# Altium PCB FMC_ADC_128CH_10B.PcbDoc (part 9 of 14) (continued)
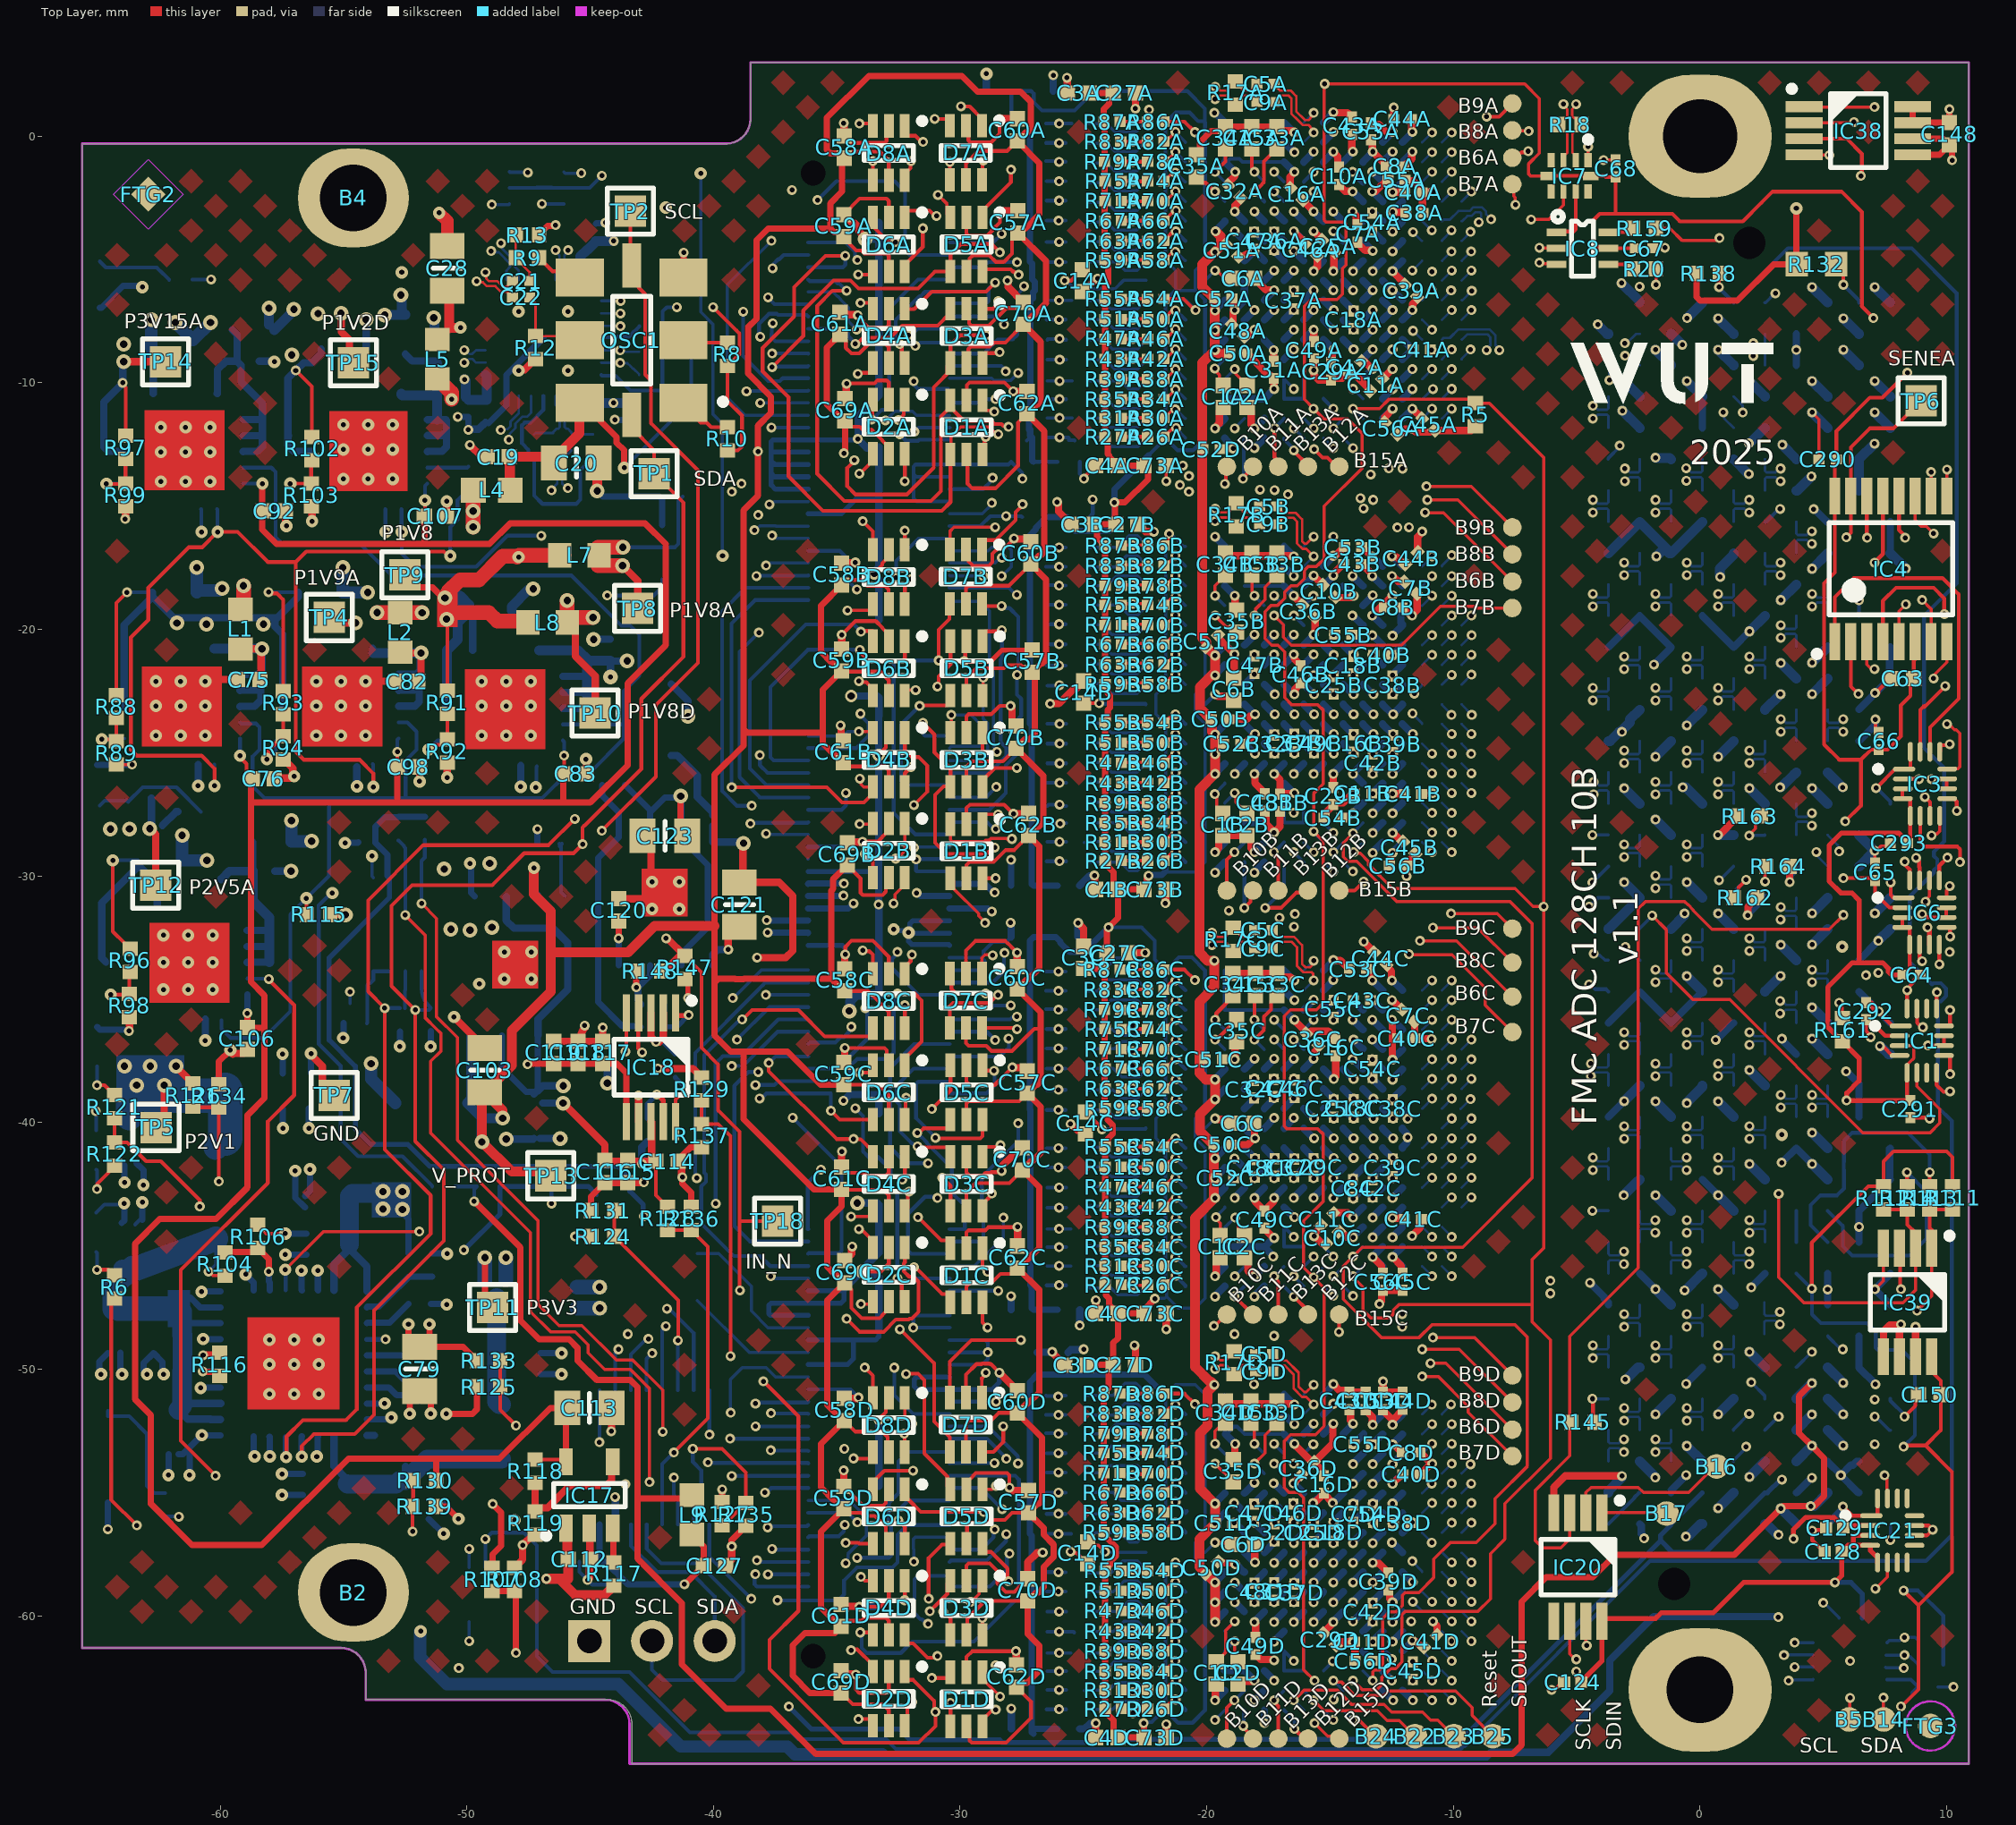
[diagram p0: Top Layer view]
## Nets (pads, with @x,y where several pads share a name; then routed paths per layer and width w, separated by ;. In a path a pad name is that pad's centre, name@x,y a point inside that pad or via, vN(x,y) a via of type N, cw(c..) or ccw(c..) an arc to the next point about the centre after c; other vN are vias at no path point) (continued)
  Bottom Layer w0.152: R22B.1@-26.489,-29.399 -26.117,-29.399 -25.701,-29.399
INP33: D1B.6 J1.49 R26B.2 R27B.1 | length 24.5
  Top Layer w0.152: D1B.6@-29.09,-30.092 -29.087,-30.089 v1(-28.558,-30.089) ; R27B.1@-23.461,-29.373 -23.46,-29.371 -23,-29.371 v1(-22.998,-29.37) ; v1@-22.934,-29.375 -22.93,-29.371 -22.401,-29.371 R26B.2@-22.399,-29.373
  Int1 (Sign) w0.127: v1(-28.558,-30.089) -28.241,-29.772 -25.335,-29.772 -24.932,-29.37 v1(-22.998,-29.37)
  Int4 (Sign) w0.127: v1(-32.594,-17.903) -31.339,-19.159 -31.339,-22.421 -31.142,-22.618 -31.142,-23.585 -30.529,-24.197 -30.529,-28.117 v1(-28.558,-30.089)
  Bottom Layer w0.152: v1(-32.594,-17.903) -32.594,-17.224 -31.68,-16.31 J1.49@-30.428,-16.31
INP34: D2B.1 J1.50 R28B.1 R29B.1 | length 26.4
  Top Layer w0.127: v1(-32.613,-29.291) -32.548,-29.291 -32.24,-28.983 D2B.1@-32.24,-27.867
  Int3 (Sign) w0.127: v1(-32.613,-29.291) -32.581,-29.291 -32.157,-29.716 -27.601,-29.716 -26.497,-28.611 v1(-25.963,-28.611)
  Int4 (Sign) w0.127: v1(-37.625,-16.194) -35.373,-18.446 -35.373,-25.321 -33.339,-27.356 -33.339,-28.566 v1(-32.613,-29.291)
  Bottom Layer w0.127: v1(-37.625,-16.194) -37.551,-16.194 -37.436,-16.31 J1.50@-36.158,-16.31
  Bottom Layer w0.152: R28B.1@-26.464,-28.611 -25.701,-28.611
INP35: D1B.1 J1.51 R30B.2 R31B.1 | length 23
  Top Layer w0.127: D1B.1@-29.09,-27.892 -29.09,-27.638 -28.954,-27.501 v1(-28.459,-27.501)
  Top Layer w0.152: R31B.1@-23.461,-28.611 -23.456,-28.617 -23.008,-28.617 v1(-23.002,-28.623) ; v1@-22.932,-28.611 -22.926,-28.617 -22.405,-28.617 R30B.2@-22.399,-28.611
  Int1 (Sign) w0.127: v1(-28.459,-27.501) -28.18,-27.78 -28.18,-28.247 -28.273,-28.34 -28.273,-28.648 -27.988,-28.933 -26.924,-28.933 -26.872,-28.985 -25.808,-28.985 -25.772,-28.949 -24.779,-28.949 -24.453,-28.623 v1(-23.002,-28.623)
  Int4 (Sign) w0.127: v1(-28.459,-27.501) -28.038,-27.081 -28.038,-25.805 -28.137,-25.706 -28.137,-24.808 -28.343,-24.602 -28.343,-20.67 -27.902,-20.23 -27.902,-18.918 -28.264,-18.557 -28.264,-17.886 v1(-28.316,-17.834)
  Bottom Layer w0.127: J1.51@-30.428,-16.81 -28.86,-16.81 -28.723,-16.673 -28.023,-16.673 -27.93,-16.766 -27.93,-17.461 -28.303,-17.834 v1(-28.316,-17.834)
INP36: D2B.4 J1.52 R32B.1 R33B.1 | length 28.1
  Top Layer w0.152: v1(-33.864,-29.104) -33.54,-29.429 D2B.4@-33.54,-30.067
  Int3 (Sign) w0.127: v1(-33.864,-29.104) -33.227,-28.467 -31.048,-28.467 -30.3,-29.215 -28.439,-29.215 -28.173,-28.949 -27.827,-28.949 -26.727,-27.849 -25.963,-27.849 v1(-25.938,-27.875)
  Int4 (Sign) w0.127: v1(-34.184,-18.375) -33.17,-19.39 -33.17,-22.882 -32.773,-23.278 -32.773,-28.255 -32.24,-28.789 -32.24,-29.586 -32.453,-29.799 -33.17,-29.799 v1(-33.864,-29.104)
  Bottom Layer w0.152: J1.52@-36.158,-16.81 -34.878,-16.81 -34.652,-17.036 -34.652,-17.908 v1(-34.184,-18.375) ; R32B.1@-26.464,-27.849 -26.451,-27.862 -25.95,-27.862 v1(-25.938,-27.875) ; v1@-25.938,-27.849 -25.701,-27.849
INP37: D1B.4 J1.53 R34B.2 R35B.1 | length 29.9
  Top Layer w0.127: D1B.4@-30.39,-30.092 -30.253,-30.229 -30.253,-30.525 -29.251,-31.527 -29.251,-31.617 -28.983,-31.885 v1(-28.983,-31.902)
  Top Layer w0.152: R35B.1@-23.377,-27.849 -23.366,-27.838 -23.013,-27.838 v1(-23.002,-27.827) ; v1@-22.932,-27.849 -22.921,-27.838 -22.41,-27.838 R34B.2@-22.399,-27.849
  Int3 (Sign) w0.127: v1(-28.983,-31.902) -28.909,-31.902 -28.815,-31.808 -28.557,-31.808 -28.207,-31.458 -27.494,-31.458 -25.28,-29.244 -24.76,-29.244 -23.393,-27.877 -23.052,-27.877 v1(-23.002,-27.827)
  Int4 (Sign) w0.127: v1(-28.983,-31.902) -28.547,-31.902 -26.727,-30.081 -26.727,-18.639 -28.279,-17.087 v1(-28.303,-17.087)
  Bottom Layer w0.127: J1.53@-30.428,-17.31 -28.6,-17.31 -28.377,-17.087 v1(-28.303,-17.087)
INP38: D2B.3 J1.54 R36B.1 R37B.1 | length 23.6
  Top Layer w0.127: v1(-34.074,-27.892) -33.565,-27.892 D2B.3@-33.54,-27.867
  Int3 (Sign) w0.127: v1(-34.074,-27.892) -31.279,-27.892 -30.489,-27.102 v1(-25.963,-27.102)
  Int4 (Sign) w0.127: v1(-37.863,-17.41) -36.166,-19.108 -36.166,-25.801 v1(-34.074,-27.892)
  Bottom Layer w0.127: v1(-37.863,-17.41) -37.79,-17.41 -37.69,-17.31 J1.54@-36.158,-17.31
  Bottom Layer w0.152: R36B.1@-26.463,-27.157 -26.414,-27.108 -25.968,-27.108 v1(-25.963,-27.102) ; v1@-25.963,-27.157 -25.701,-27.157
INP39: D1B.3 J1.55 R38B.2 R39B.1 | length 23.3
  Top Layer w0.127: D1B.3@-30.39,-27.892 -30.39,-28.525 -30.316,-28.6 -29.025,-28.6 -28.971,-28.546 -28.829,-28.546 -28.824,-28.541 -28.818,-28.541 -28.744,-28.467 -28.117,-28.467 -28.038,-28.546 -27.951,-28.546 v1(-27.899,-28.493) ; R39B.1@-23.461,-27.036 -23.448,-27.023 v1(-23.002,-27.023) ; v1@-22.988,-27.036 -22.975,-27.023 -22.413,-27.023 R38B.2@-22.399,-27.036
  Int1 (Sign) w0.127: v1(-27.899,-28.493) -27.085,-28.493 -26.092,-27.501 -25.46,-27.501 -24.981,-27.023 v1(-23.002,-27.023)
  Int4 (Sign) w0.127: v1(-29.063,-17.843) -29.063,-19.746 -29.449,-20.133 -29.449,-27.961 -28.943,-28.467 -27.926,-28.467 v1(-27.899,-28.493)
  Bottom Layer w0.127: J1.55@-30.428,-17.81 -30.412,-17.826 -29.079,-17.826 v1(-29.063,-17.843)
INP40: D4B.6 J1.56 R40B.1 R41B.1 | length 21.7
  Top Layer w0.152: D4B.6@-32.24,-26.384 -32.24,-25.828 v1(-31.986,-25.574)
  Int1 (Sign) w0.127: v1(-38.259,-17.834) -34.591,-21.502 -33.504,-21.502 -32.808,-22.198 -32.808,-24.751 v1(-31.986,-25.574) -30.523,-27.036 -26.782,-27.036 v1(-25.963,-26.218)
  Bottom Layer w0.152: v1(-38.259,-17.834) -38.247,-17.822 -36.17,-17.822 J1.56@-36.158,-17.81 ; R40B.1@-26.463,-26.218 -25.701,-26.218
INP41: D3B.6 J1.57 R42B.2 R43B.1 | length 18.2
  Top Layer w0.127: R43B.1@-23.461,-26.224 -23.445,-26.207 v1(-23.002,-26.207) ; v1@-22.988,-26.224 -22.972,-26.207 -22.416,-26.207 R42B.2@-22.399,-26.224
  Top Layer w0.152: D3B.6@-29.09,-26.384 -29.09,-26.109 -28.966,-25.985 -28.956,-25.985 -28.586,-25.615 v1(-27.699,-25.615)
  Int1 (Sign) w0.127: v1(-27.699,-25.615) -27.626,-25.615 -27.4,-25.841 -25.812,-25.841 -25.429,-26.224 -23.018,-26.224 v1(-23.002,-26.207)
  Int4 (Sign) w0.127: v1(-27.699,-25.615) -27.133,-25.049 -27.133,-19.159 v1(-27.696,-18.596)
  Bottom Layer w0.152: J1.57@-30.428,-18.31 -28.016,-18.31 -27.729,-18.596 v1(-27.696,-18.596)
INP42: D4B.1 J1.58 R44B.1 R45B.1 | length 30.6
  Top Layer w0.127: v1(-31.868,-27.117) -31.328,-26.577 -31.328,-26.285
  Top Layer w0.152: D4B.1@-32.24,-24.184 -32.24,-24.888 -31.957,-25.171 -31.68,-25.171 -31.328,-25.522 -31.328,-26.577
  Int1 (Sign) w0.127: v1(-38.445,-27.15) -38.432,-27.137 -31.888,-27.137 v1(-31.868,-27.117)
  Int6 (Sign) w0.127: v1(-31.868,-27.117) -31.853,-27.102 -28.386,-27.102 -26.711,-25.427 v1(-25.963,-25.427)
  Bottom Layer w0.152: v1(-38.445,-27.15) -39.053,-27.15 -39.653,-26.549 -39.653,-19.267 -38.696,-18.31 J1.58@-36.158,-18.31 ; R44B.1@-26.463,-25.427 -25.701,-25.427
INP43: D3B.1 J1.59 R46B.2 R47B.1 | length 15.7
  Top Layer w0.127: R47B.1@-23.461,-25.411 -23.444,-25.394 v1(-23.001,-25.394) ; v1@-22.988,-25.411 -22.971,-25.394 -22.416,-25.394 R46B.2@-22.399,-25.411
  Top Layer w0.152: D3B.1@-29.09,-24.184 -29.09,-24.887 -29.001,-24.977 -28.524,-24.977 v1(-28.51,-24.963)
  Int1 (Sign) w0.127: v1(-28.51,-24.963) -28.472,-25.001 -24.763,-25.001 -24.353,-25.411 -23.018,-25.411 v1(-23.001,-25.394)
  Bottom Layer w0.127: J1.59@-30.428,-18.81 -30.379,-18.859 -29.187,-18.859 -28.806,-19.241 -28.806,-21.55 -28.645,-21.71 -28.645,-24.752 -28.645,-24.754 -28.51,-24.889 v1(-28.51,-24.963)
INP44: D4B.4 J1.60 R48B.1 R49B.1 | length 26.7
  Top Layer w0.127: v1(-34.065,-26.052) -34.013,-26.104 -34.013,-26.276 -33.905,-26.384 D4B.4@-33.54,-26.384
  Top Layer w0.152: v1(-39.258,-26.4) -35.399,-26.4 -34.786,-27.013 -33.894,-27.013 -33.54,-26.659 D4B.4@-33.54,-26.384
  Int3 (Sign) w0.127: v1(-34.065,-26.052) -28.745,-26.052 -27.32,-24.627 v1(-25.963,-24.627)
  Bottom Layer w0.152: v1@-39.264,-26.394 -39.264,-19.758 -38.316,-18.81 J1.60@-36.158,-18.81 ; R48B.1@-26.463,-24.627 R49B.1@-25.701,-24.627
INP45: D3B.4 J1.61 R50B.2 R51B.1 | length 18.6
  Top Layer w0.127: R51B.1@-23.461,-24.598 -23.444,-24.58 v1(-23,-24.58) ; v1@-22.988,-24.598 -22.971,-24.58 -22.417,-24.58 R50B.2@-22.399,-24.598
  Top Layer w0.152: v1(-31.512,-23.785) -31.042,-24.256 -31.042,-24.988 -30.39,-25.639 D3B.4@-30.39,-26.361 ; D3B.4@-30.39,-26.384 D3B.4@-30.39,-26.361 ; v1(-28.595,-28.84) -28.662,-28.84 -28.926,-29.104 -30.553,-29.104 -31.012,-28.646 -31.012,-26.709 -30.664,-26.361 D3B.4@-30.39,-26.361
  Int6 (Sign) w0.127: v1(-28.595,-28.84) -28.273,-28.518 -28.273,-28.339 -27.783,-27.849 -27.447,-27.849 -26.189,-26.591 -25.01,-26.591 v1(-23,-24.58)
  Bottom Layer w0.152: v1(-31.512,-23.785) -31.512,-23.797 -31.487,-23.823 -31.487,-24.249 -31.423,-24.312 J1.61@-30.428,-24.312
INP46: D4B.3 J1.62 R52B.1 R53B.1 | length 11.8
  Top Layer w0.127: v1(-34.098,-24.136) -33.587,-24.136 D4B.3@-33.54,-24.184
  Int6 (Sign) w0.127: v1(-34.098,-24.136) -34.076,-24.159 -26.294,-24.159 v1(-25.963,-23.827)
  Bottom Layer w0.127: J1.62@-36.158,-24.312 -34.74,-24.312 -34.564,-24.136 v1(-34.098,-24.136)
  Bottom Layer w0.152: R52B.1@-26.463,-23.827 R53B.1@-25.701,-23.827
INP47: D3B.3 J1.63 R54B.2 R55B.1 | length 13.2
  Top Layer w0.127: D3B.3@-30.39,-24.184 -30.358,-24.152 v1(-30.358,-23.46) ; R55B.1@-23.461,-23.785 -23.443,-23.767 v1(-22.998,-23.767) ; v1@-22.988,-23.785 -22.97,-23.767 -22.417,-23.767 R54B.2@-22.399,-23.785
  Int1 (Sign) w0.127: v1(-30.358,-23.46) -28.864,-23.46 -28.437,-23.887 -26.551,-23.887 -26.118,-23.454 -23.311,-23.454 v1(-22.998,-23.767)
  Bottom Layer w0.127: J1.63@-30.428,-24.812 -30.36,-24.745 -29.206,-24.745 -29.119,-24.658 -29.119,-24.101 -29.131,-24.089 -29.131,-23.889 -29.56,-23.46 v1(-30.358,-23.46)
INP48: D6B.6 J1.64 R56B.1 R57B.1 | length 13.9
  Top Layer w0.127: D6B.6@-32.24,-22.675 -32.24,-22.593 -32.103,-22.457 v1(-31.803,-22.457)
  Int3 (Sign) w0.127: v1(-34.041,-23.415) -33.266,-23.415 -32.308,-22.457 v1(-31.803,-22.457) -31.755,-22.457 -31.382,-22.83 -29.599,-22.83 -29.389,-22.619 -26.359,-22.619 -26,-22.26 v1(-25.972,-22.26)
  Bottom Layer w0.152: J1.64@-36.158,-24.812 -34.208,-24.812 -34.13,-24.735 -33.712,-24.317 -33.712,-23.8 -34.041,-23.471 v1(-34.041,-23.415) ; R56B.1@-26.454,-22.277 -25.982,-22.277 v1@-25.972,-22.267 ; v1(-25.972,-22.26) -25.966,-22.267 R57B.1@-25.701,-22.267
INP49: D5B.6 J1.65 R58B.2 R59B.1 | length 13.2
  Top Layer w0.127: D5B.6@-29.09,-22.675 -29.063,-22.648 v1(-29.063,-21.96) ; R59B.1@-23.462,-22.21 -23.421,-22.17 v1(-22.998,-22.17) ; v1@-22.99,-22.159 -22.979,-22.17 -22.44,-22.17 R58B.2@-22.399,-22.21
  Int1 (Sign) w0.127: v1(-29.063,-21.96) -29.043,-21.98 -28.672,-21.98 -28.019,-22.634 -24.974,-22.634 -24.51,-22.17 v1(-22.998,-22.17)
  Bottom Layer w0.127: J1.65@-30.428,-25.312 -29.12,-25.312 -28.884,-25.077 -28.884,-24.758 -28.882,-24.757 -28.882,-24.003 -28.882,-23.803 -29.063,-23.623 v1(-29.063,-21.96)
INP50: D6B.1 J1.66 R60B.1 R61B.1 | length 20.6
  Top Layer w0.152: v1(-34.068,-20.824) -34.068,-20.926 -33.712,-21.281 -32.336,-21.281 -32.24,-21.185 D6B.1@-32.24,-20.475
  Int1 (Sign) w0.127: v1(-34.068,-20.824) -29.39,-20.824 -28.75,-21.463 v1(-25.987,-21.463)
  Bottom Layer w0.152: J1.66@-36.158,-25.312 -37.559,-25.312 -37.687,-25.185 -37.687,-22.335 -36.176,-20.824 v1(-34.068,-20.824) ; R60B.1@-26.487,-21.463 -25.725,-21.463
INP51: D5B.1 J1.67 R62B.2 R63B.1 | length 15.9
  Top Layer w0.127: R63B.1@-23.462,-21.423 -23.41,-21.371 v1(-22.999,-21.371) ; v1@-22.99,-21.372 -22.989,-21.371 -22.451,-21.371 R62B.2@-22.399,-21.423
  Top Layer w0.152: D5B.1@-29.09,-20.475 -29.09,-20.2 -28.966,-20.077 -28.349,-20.077 v1(-28.303,-20.031)
  Int1 (Sign) w0.127: v1(-28.303,-20.031) -28.251,-20.083 -26.996,-20.083 -26.871,-20.208 -25.717,-20.208 -24.502,-21.423 -23.05,-21.423 v1(-22.999,-21.371)
  Bottom Layer w0.152: J1.67@-30.428,-25.812 -28.814,-25.812 -28.124,-25.123 -28.124,-24.803 -28.357,-24.57 -28.357,-21.233 -28.303,-21.179 v1(-28.303,-20.031)
INP52: D6B.4 J1.68 R64B.1 R65B.1 | length 18.4
  Top Layer w0.152: v1(-34.098,-22.092) -34.051,-22.139 -33.801,-22.139 -33.54,-22.4 D6B.4@-33.54,-22.675
  Int1 (Sign) w0.127: v1(-38.118,-25.095) -38.118,-24.786 -35.423,-22.092 v1(-34.098,-22.092)
  Int6 (Sign) w0.127: v1(-34.098,-22.092) -32.931,-22.092 -32.579,-21.74 -29.513,-21.74 -28.373,-20.6 v1(-25.987,-20.6)
  Bottom Layer w0.152: v1(-38.118,-25.095) -38.118,-25.499 -37.804,-25.812 J1.68@-36.158,-25.812 ; R64B.1@-26.487,-20.599 -25.725,-20.599
INP53: D5B.4 J1.69 R66B.2 R67B.1 | length 18.2
  Top Layer w0.127: R67B.1@-23.462,-20.61 -23.421,-20.57 v1(-22.998,-20.57) ; v1@-22.99,-20.559 -22.979,-20.57 -22.44,-20.57 R66B.2@-22.399,-20.61
  Top Layer w0.152: v1(-31.64,-23.1) -31.614,-23.074 -30.514,-23.074 -30.39,-22.95 D5B.4@-30.39,-22.675
  Int6 (Sign) w0.127: v1(-31.64,-23.1) -31.627,-23.087 -28.929,-23.087 -28.412,-23.604 -26.415,-23.604 -23.389,-20.578 -23.006,-20.578 v1(-22.998,-20.57)
  Bottom Layer w0.152: v1(-31.64,-23.1) -32.391,-23.851 -32.391,-26.158 -32.237,-26.312 J1.69@-30.428,-26.312
INP54: D6B.3 J1.70 R68B.1 R69B.1 | length 21.7
  Top Layer w0.152: v1(-34.017,-20.087) -33.941,-20.062 -33.54,-20.062 D6B.3@-33.54,-20.475
  Int3 (Sign) w0.127: v1(-34.017,-20.087) -32.494,-20.087 -32.064,-19.657 -27.31,-19.657 -27.181,-19.787 v1(-25.987,-19.787)
  Bottom Layer w0.152: J1.70@-36.158,-26.312 -37.85,-26.312 -38.521,-25.642 -38.521,-22.067 -36.251,-19.798 -34.307,-19.798 v1(-34.017,-20.087) ; R68B.1@-26.487,-19.787 -25.725,-19.787
INP55: D5B.3 J1.71 R70B.2 R71B.1 | length 19.4
  Top Layer w0.127: R71B.1@-23.462,-19.823 -23.429,-19.79 v1(-23,-19.79) ; v1@-22.99,-19.772 -22.971,-19.79 -22.432,-19.79 R70B.2@-22.399,-19.823
  Top Layer w0.152: v1(-30.918,-22.314) -30.871,-22.267 -30.871,-21.895 -30.78,-21.805 -30.39,-21.415 D5B.3@-30.39,-20.475
  Int1 (Sign) w0.127: v1(-30.918,-22.314) -30.918,-24.249 -28.805,-26.363 -28.555,-26.363 v1(-28.53,-26.387)
  Int6 (Sign) w0.127: v1(-30.918,-22.314) -30.899,-22.333 -27.485,-22.333 -27.039,-21.887 -25.809,-21.887 -23.712,-19.79 v1(-23,-19.79)
  Bottom Layer w0.152: J1.71@-30.428,-26.812 -28.956,-26.812 -28.784,-26.641 v1(-28.53,-26.387)
INP56: D8B.6 J1.72 R72B.1 R73B.1 | length 25.2
  Top Layer w0.152: D8B.6@-32.24,-18.967 -32.24,-18.21 v1(-31.991,-17.961)
  Int6 (Sign) w0.127: v1(-38.154,-20.123) -38.154,-19.841 -37.167,-18.854 -32.883,-18.854 v1(-31.991,-17.961) -31.321,-17.961 -29.826,-19.456 -26.444,-19.456 v1(-25.987,-18.999)
  Bottom Layer w0.152: v1(-38.154,-20.123) -38.937,-20.906 -38.937,-25.988 -38.113,-26.812 J1.72@-36.158,-26.812 ; R72B.1@-26.487,-18.999 -25.725,-18.999
INP57: D7B.6 J1.73 R74B.2 R75B.1 | length 18.7
  Top Layer w0.127: R75B.1@-23.462,-19.01 -23.41,-18.958 v1(-22.997,-18.958) ; v1@-22.99,-18.959 -22.989,-18.958 -22.451,-18.958 R74B.2@-22.399,-19.01
  Top Layer w0.152: D7B.6@-29.115,-18.959 -29.028,-19.047 v1(-28.316,-19.047)
  Int3 (Sign) w0.127: v1(-27.691,-21.84) -27.649,-21.84 -26.782,-20.973 -24.993,-20.973 -22.997,-18.976 v1(-22.997,-18.958)
  Bottom Layer w0.152: J1.73@-30.428,-27.312 -28.82,-27.312 -28.279,-26.771 -28.144,-26.636 -28.144,-25.514 -27.691,-25.061 -27.691,-23.675 -27.523,-23.507 -27.523,-22.813 -27.691,-22.645 v1(-27.691,-21.84) ; v1(-28.316,-19.047) -28.249,-19.047 -28.163,-19.133 -27.996,-19.133 -27.641,-19.487 -27.641,-21.627 -27.644,-21.629 v1@-27.644,-21.838
INP58: D8B.1 J1.74 R76B.1 R77B.1 | length 23.1
  Top Layer w0.152: D8B.1@-32.24,-16.767 v1(-32.24,-15.994)
  Int3 (Sign) w0.127: v1(-34.626,-26.627) -35.236,-26.017 -35.236,-18.881 -32.396,-16.041 -32.287,-16.041 v1(-32.24,-15.994)
  Int6 (Sign) w0.127: v1(-32.24,-15.994) -30.011,-18.223 v1(-25.988,-18.223)
  Bottom Layer w0.152: J1.74@-36.158,-27.312 -34.804,-27.312 -34.626,-27.135 v1(-34.626,-26.627) ; v1(-32.24,-15.994) v1@-32.223,-15.994 ; R76B.1@-26.514,-18.197 -26.143,-18.197 -26.118,-18.223 -25.727,-18.223
INP59: D7B.1 J1.75 R78B.2 R79B.1 | length 27.4
  Top Layer w0.127: R79B.1@-23.462,-18.223 -23.435,-18.196 v1(-23.001,-18.196) ; v1@-22.99,-18.172 -22.965,-18.196 -22.426,-18.196 R78B.2@-22.399,-18.223
  Top Layer w0.152: D7B.1@-29.115,-16.759 -29.115,-16.504 -28.992,-16.38 -28.563,-16.38 -27.747,-15.564 -27.747,-15.246 -27.468,-14.967 v1(-27.468,-14.919)
  Int3 (Sign) w0.127: v1(-27.468,-14.919) -26.443,-15.944 -23.012,-15.944 -22.358,-16.597 -22.358,-17.55 -23.001,-18.193 v1(-23.001,-18.196)
  Int4 (Sign) w0.127: v1(-28.553,-28.092) -28.885,-27.761 -28.885,-26.595 -28.917,-26.564 -28.917,-23.555 -28.689,-23.328 -28.689,-16.507 -27.492,-15.309 -27.492,-14.944 v1(-27.468,-14.919)
  Bottom Layer w0.152: J1.75@-30.425,-27.81 -28.903,-27.81 -28.62,-28.092 v1(-28.553,-28.092)
INP60: D8B.4 J1.76 R80B.1 R81B.1 | length 24
  Top Layer w0.127: v1(-34.567,-19.227) -33.676,-19.227 -33.54,-19.091 D8B.4@-33.54,-18.967
  Int3 (Sign) w0.127: v1(-34.567,-19.227) -32.951,-19.227 -32.066,-18.342 -28.22,-18.342 -27.338,-17.461 v1(-25.988,-17.461)
  Int6 (Sign) w0.127: v1(-38.503,-27.875) -37.759,-27.13 -37.759,-22.419 v1(-34.567,-19.227)
  Bottom Layer w0.152: v1(-38.503,-27.875) -38.472,-27.844 -36.189,-27.844 J1.76@-36.158,-27.812 ; R80B.1@-26.514,-17.461 -26.143,-17.461 -25.727,-17.461
INP61: D7B.4 J1.77 R82B.2 R83B.1 | length 23.6
  Top Layer w0.127: R83B.1@-23.462,-17.41 -23.435,-17.383 v1(-23,-17.383) ; v1@-22.99,-17.359 -22.965,-17.383 -22.426,-17.383 R82B.2@-22.399,-17.41
  Top Layer w0.152: v1(-30.867,-21.256) -30.867,-20.011 -30.43,-19.574 -30.43,-18.974 D7B.4@-30.415,-18.959
  Int3 (Sign) w0.127: v1(-30.867,-21.256) -30.016,-20.404 -28.02,-20.404 -27.842,-20.226 -25.847,-20.226 -23.004,-17.383 v1(-23,-17.383)
  Bottom Layer w0.152: v1(-30.867,-21.256) -32.605,-21.256 -32.695,-21.345 -32.695,-27.429 -31.812,-28.312 J1.77@-30.428,-28.312
INP62: D8B.3 J1.78 R84B.1 R85B.1 | length 26.9
  Top Layer w0.152: v1(-33.946,-15.611) -33.54,-16.018 D8B.3@-33.54,-16.767
  Int3 (Sign) w0.127: v1(-37.863,-28.281) -36.2,-26.618 -36.2,-17.865 v1(-33.946,-15.611) -30.761,-15.611 -29.699,-16.673 -28.163,-16.673 -27.695,-17.141 -26.456,-17.141 v1(-25.988,-16.673)
  Bottom Layer w0.127: v1(-37.863,-28.281) -37.832,-28.312 J1.78@-36.158,-28.312
  Bottom Layer w0.152: R84B.1@-26.514,-16.673 -26.143,-16.673 -25.727,-16.673
INP63: D7B.3 J1.79 R86B.2 R87B.1 | length 28
  Top Layer w0.127: D7B.3@-30.415,-16.759 -30.415,-16.023 -30.246,-15.853 v1(-28.582,-15.853) ; R87B.1@-23.462,-16.597 -23.445,-16.58 v1(-23,-16.58) ; v1@-22.99,-16.546 -22.955,-16.58 -22.416,-16.58 R86B.2@-22.399,-16.597
  Int3 (Sign) w0.127: v1(-28.582,-15.853) -27.342,-15.853 -26.902,-16.294 -25.181,-16.294 -24.878,-16.597 -23.016,-16.597 v1(-23,-16.58)
  Int4 (Sign) w0.127: v1(-31.866,-28.84) v1(-31.866,-28.84) -31.865,-27.648 -32.359,-27.154 -32.359,-19.559 -33.035,-18.882 -33.035,-17.55 -31.339,-15.853 v1(-28.582,-15.853)
  Bottom Layer w0.127: v1(-31.866,-28.84) -31.852,-28.826 -30.442,-28.826 J1.79@-30.428,-28.812
INP64: D2C.6 J1.100 R22C.1 R24C.1 | length 27.9
  Top Layer w0.152: v1(-32.544,-46.318) -32.544,-46.385 -32.363,-46.565 -32.363,-47.139 D2C.6@-32.24,-47.263
  Int3 (Sign) w0.127: v1(-32.544,-46.318) -32.47,-46.318 -32.346,-46.441 -28.3,-46.441 -28.15,-46.591 v1(-25.986,-46.591)
  Int6 (Sign) w0.127: v1@-39.22,-34.944 -40.515,-36.239 -40.515,-39.409 -34.528,-45.396 -33.466,-45.396 v1(-32.544,-46.318)
  Bottom Layer w0.127: v1(-39.218,-34.946) -39.196,-34.946 -38.049,-33.799 -36.171,-33.799 J1.100@-36.158,-33.812
  Bottom Layer w0.152: R22C.1@-26.489,-46.595 -26.117,-46.594 R24C.1@-25.701,-46.594
INP65: D1C.6 J1.101 R26C.2 R27C.1 | length 29.4
  Top Layer w0.127: R27C.1@-23.462,-46.569 -23.429,-46.602 v1(-23.001,-46.602) ; v1@-23.017,-46.569 -22.984,-46.602 -22.432,-46.602 R26C.2@-22.399,-46.569
  Top Layer w0.152: D1C.6@-29.09,-47.288 -29.09,-48.102 v1(-28.885,-48.305) v1(-28.885,-48.305)
  Int3 (Sign) w0.127: v1@-28.885,-48.306 -26.558,-48.306 -24.824,-46.572 -23.031,-46.572 v1(-23.001,-46.602)
  Int4 (Sign) w0.127: v1(-28.885,-48.305) -28.086,-48.305 -26.492,-46.712 -26.492,-34.816 v1(-28.196,-33.112)
  Bottom Layer w0.152: J1.101@-30.428,-34.312 -28.665,-34.312 -28.219,-33.867 -28.219,-33.112 v1(-28.196,-33.112)
INP66: D2C.1 J1.102 R28C.1 R29C.1 | length 36.9
  Top Layer w0.152: v1(-34.601,-47.951) -34.068,-48.485 -33.101,-48.485 -32.604,-47.988 -32.087,-47.988 -32.047,-47.949 -31.96,-47.949 -31.68,-47.669 -31.68,-46.453 -31.881,-46.252 -32.055,-46.252 -32.282,-46.025 -32.282,-45.705 -32.24,-45.663 D2C.1@-32.24,-45.063
  Int3 (Sign) w0.127: v1(-40.673,-42.25) -40.302,-42.25 v1(-34.601,-47.951) -34.032,-47.951 -33.254,-47.173 -33.254,-46.484 -32.258,-45.487 -26.302,-45.487 v1(-25.986,-45.804)
  Bottom Layer w0.127: R28C.1@-26.464,-45.807 R29C.1@-25.501,-45.807
  Bottom Layer w0.152: v1(-40.673,-42.25) -40.741,-42.182 -40.741,-37.171 -38.244,-34.674 -38.244,-34.668 -38.029,-34.453 -38.023,-34.453 -37.882,-34.312 J1.102@-36.158,-34.312
INP67: D1C.1 J1.103 R30C.2 R31C.1 | length 27.5
  Top Layer w0.152: D1C.1@-29.09,-45.088 -29.09,-45.842 v1(-28.886,-46.046) ; R31C.1@-23.402,-45.846 -23.364,-45.808 -23.01,-45.808 v1(-23.008,-45.809) -23.007,-45.808 -22.4,-45.808 R30C.2@-22.399,-45.807
  Int3 (Sign) w0.127: v1(-28.886,-46.046) -26.785,-46.046 -26.654,-46.177 -24.626,-46.177 -24.258,-45.809 v1(-23.008,-45.809)
  Int4 (Sign) w0.127: v1(-32.544,-33.078) -32.527,-33.078 -32.259,-32.81 -31.705,-32.81 -31.583,-32.932 -31.583,-39.579 -32.191,-40.187 -32.191,-41.689 -31.297,-42.584 -31.297,-43.636 v1(-28.886,-46.046)
  Bottom Layer w0.152: v1(-32.544,-33.078) -32.544,-33.145 -32.764,-33.366 -32.764,-33.735 -31.687,-34.812 J1.103@-30.428,-34.812
INP68: D2C.4 J1.104 R32C.1 R33C.1 | length 26.9
  Top Layer w0.127: v1(-34.019,-47.349) -33.626,-47.349 D2C.4@-33.54,-47.263
  Int1 (Sign) w0.127: v1(-34.019,-47.349) -30.523,-47.349 -29.594,-46.42 -27.353,-46.42 v1(-25.986,-45.052)
  Int3 (Sign) w0.127: v1(-37.878,-34.819) -37.878,-36.206 -38.792,-37.119 -38.792,-42.577 v1(-34.019,-47.349)
  Bottom Layer w0.152: v1@-37.885,-34.812 v1(-37.878,-34.819) -37.874,-34.816 -36.162,-34.816 J1.104@-36.158,-34.812 ; R32C.1@-26.464,-45.045 -26.46,-45.049 -25.989,-45.049 v1(-25.986,-45.052) ; v1@-25.986,-45.045 R33C.1@-25.701,-45.045
INP69: D1C.4 J1.105 R34C.2 R35C.1 | length 28.7
  Top Layer w0.152: v1(-31.873,-45.861) -31.817,-45.861 -30.729,-46.949 -30.514,-46.949 -30.39,-47.073 D1C.4@-30.39,-47.288 ; R35C.1@-23.401,-45.045 -23.388,-45.032 -23.015,-45.032 v1(-23.002,-45.019) ; v1@-22.96,-45.045 -22.947,-45.032 -22.412,-45.032 R34C.2@-22.399,-45.045
  Int1 (Sign) w0.127: v1@-31.838,-45.734 -31.838,-45.826 v1(-31.873,-45.861) -31.925,-45.809 -32.108,-45.809 -32.188,-45.729 -32.188,-43.627 -31.688,-43.127 -31.688,-42.267 -32.503,-41.452 -32.503,-39.965 -30.543,-38.004 -30.543,-37.428 -28.365,-35.25 v1(-27.943,-35.25) ; v1@-31.707,-45.865 -30.792,-45.865 -29.606,-44.679 -25.292,-44.679 -24.953,-45.019 v1(-23.002,-45.019)
  Bottom Layer w0.152: J1.105@-30.428,-35.312 -28.7,-35.312 -28.638,-35.25 v1(-27.943,-35.25)
INP70: D2C.3 J1.106 R36C.1 R37C.1 | length 23.8
  Top Layer w0.152: v1(-34.098,-44.315) -34.051,-44.362 -33.965,-44.362 -33.54,-44.788 D2C.3@-33.54,-45.063
  Int3 (Sign) w0.127: v1(-34.098,-44.315) -33.777,-44.636 -27.247,-44.636 -26.916,-44.305 v1(-25.986,-44.305)
  Int6 (Sign) w0.127: v1(-39.048,-36.63) -39.048,-37.383 -38.67,-37.76 -38.67,-40.092 -34.489,-44.274 -34.14,-44.274 v1(-34.098,-44.315)
  Bottom Layer w0.127: R36C.1@-26.464,-44.309 R37C.1@-25.501,-44.308
  Bottom Layer w0.152: v1(-39.048,-36.63) -37.731,-35.312 J1.106@-36.158,-35.312
INP71: D1C.3 J1.107 R38C.2 R39C.1 | length 26.3
  Top Layer w0.152: v1(-31.705,-43.836) -30.766,-44.776 -30.39,-44.776 D1C.3@-30.39,-45.088 ; R39C.1@-23.329,-44.232 -23.322,-44.225 -23.009,-44.225 v1(-23.002,-44.219) ; v1@-22.979,-44.232 -22.972,-44.225 -22.406,-44.225 R38C.2@-22.399,-44.232
  Int1 (Sign) w0.127: v1(-27.7,-35.698) -28.159,-35.698 -29.464,-37.003 -29.464,-38.297 -31.196,-40.03 -31.882,-40.03 -32.11,-40.257 -32.11,-41.511 -31.451,-42.169 -31.451,-43.538 -31.705,-43.792 v1(-31.705,-43.836) -31.307,-44.235 -30.13,-44.235 -29.336,-43.442 -26.914,-43.442 -26.537,-43.819 -25.944,-43.819 -25.544,-44.219 v1(-23.002,-44.219)
  Bottom Layer w0.152: J1.107@-30.428,-35.812 -27.962,-35.812 -27.803,-35.653 -27.736,-35.653 -27.7,-35.69 v1(-27.7,-35.698)
INP72: D4C.6 J1.108 R40C.1 R41C.1 | length 26.3
  Top Layer w0.152: D4C.6@-32.24,-43.58 -32.116,-43.456 -32.116,-42.916 -32.062,-42.862 v1(-32.062,-42.795)
  Int1 (Sign) w0.127: v1(-39.91,-43.278) -36.076,-43.278 -35.405,-42.607 -33.604,-42.607 -33.416,-42.795 v1(-32.062,-42.795)
  Int3 (Sign) w0.127: v1(-32.062,-42.795) -31.414,-43.442 v1(-25.985,-43.442)
  Bottom Layer w0.152: v1(-39.91,-43.278) -39.91,-37.588 -39.619,-37.297 -38.858,-37.297 -37.373,-35.812 J1.108@-36.158,-35.812 ; R40C.1@-26.463,-43.445 R41C.1@-25.701,-43.445
INP73: D3C.6 J1.109 R42C.2 R43C.1 | length 16.3
  Top Layer w0.152: D3C.6@-29.09,-43.58 -29.09,-43.305 -28.719,-42.934 v1(-28.719,-42.871) ; R43C.1@-23.311,-43.419 v1@-23.003,-43.419 ; v1@-22.984,-43.419 R42C.2@-22.399,-43.419
  Int1 (Sign) w0.127: v1(-28.719,-42.871) -27.336,-42.871 -27.139,-43.068 -25.831,-43.068 -25.48,-43.419 v1(-23.002,-43.419)
  Int4 (Sign) w0.127: v1(-28.719,-42.871) -28.736,-42.854 -28.736,-39.736 -28.251,-39.251 -28.251,-36.978 v1(-28.581,-36.648)
  Bottom Layer w0.152: J1.109@-30.428,-36.312 -28.917,-36.312 v1(-28.581,-36.648)
INP74: D4C.1 J1.110 R44C.1 R45C.1 | length 21.8
  Top Layer w0.152: v1(-32.34,-42.312) -32.24,-42.212 D4C.1@-32.24,-41.38
  Int1 (Sign) w0.127: v1(-39.258,-37.7) -39.258,-39.265 -36.211,-42.312 v1(-32.34,-42.312)
  Int3 (Sign) w0.127: v1(-32.34,-42.312) -31.8,-42.312 -31.502,-42.61 -29.452,-42.61 -29.272,-42.429 -27.206,-42.429 -27.006,-42.629 v1(-25.986,-42.629)
  Bottom Layer w0.152: v1(-39.258,-37.7) -38.792,-37.7 -37.404,-36.312 J1.110@-36.158,-36.312 ; R44C.1@-26.463,-42.632 -26.092,-42.632 R45C.1@-25.701,-42.632
INP75: D3C.1 J1.111 R46C.2 R47C.1 | length 19.5
  Top Layer w0.152: D3C.1@-29.09,-41.38 -29.09,-41.105 -28.966,-40.981 -28.495,-40.981 -28.429,-40.915 v1(-28.362,-40.915) ; R47C.1@-23.491,-42.607 -23.485,-42.6 -23.008,-42.6 v1(-23.001,-42.593) ; v1@-22.991,-42.607 -22.985,-42.6 -22.406,-42.6 R46C.2@-22.399,-42.607
  Int6 (Sign) w0.127: v1(-31.302,-41.645) -29.092,-41.645 v1(-28.362,-40.915) -26.907,-40.915 -26.653,-40.661 -25.272,-40.661 -23.391,-42.542 -23.052,-42.542 v1(-23.001,-42.593)
  Bottom Layer w0.152: v1(-31.302,-41.645) -32.187,-41.645 -32.837,-40.996 -32.837,-37.779 -31.87,-36.812 J1.111@-30.428,-36.812
INP76: D4C.4 J1.112 R48C.1 R49C.1 | length 21.8
  Top Layer w0.127: v1(-34.423,-43.811) -33.676,-43.811 -33.54,-43.675 D4C.4@-33.54,-43.58
  Int4 (Sign) w0.127: v1(-34.423,-43.811) -34.804,-43.43 -34.804,-42.974 -33.683,-41.852 -33.683,-36.7 -34.204,-36.179 -34.274,-36.179 -34.34,-36.112 v1(-34.414,-36.112)
  Int6 (Sign) w0.127: v1(-34.423,-43.811) -34.417,-43.805 -32.972,-43.805 -32.593,-43.425 -28.745,-43.425 -27.136,-41.816 v1(-26.011,-41.816)
  Bottom Layer w0.152: J1.112@-36.158,-36.812 -36.095,-36.749 -35.06,-36.749 -34.949,-36.638 -34.946,-36.638 -34.837,-36.529 -34.711,-36.529 -34.505,-36.323 -34.505,-36.27 -34.414,-36.179 v1(-34.414,-36.112) ; R48C.1@-26.489,-41.819 -26.117,-41.819 R49C.1@-25.727,-41.819
INP77: D3C.4 J1.113 R50C.2 R51C.1 | length 21.6
  Top Layer w0.152: v1(-30.724,-42.236) -30.39,-42.57 D3C.4@-30.39,-43.58 ; R51C.1@-23.284,-41.794 -23.027,-41.794 v1(-23.002,-41.819) ; v1@-23.017,-41.794 -23.004,-41.806 -22.412,-41.806 R50C.2@-22.399,-41.794
  Int1 (Sign) w0.127: v1(-30.724,-42.236) -29.136,-42.236 -28.342,-41.443 -24.785,-41.443 -24.41,-41.819 v1(-23.002,-41.819)
  Int4 (Sign) w0.127: v1(-30.724,-42.236) -30.724,-40.9 -29.994,-40.171 -29.994,-36.802 -29.467,-36.275 -28.343,-36.275 v1(-28.033,-36.584)
  Bottom Layer w0.152: J1.113@-30.428,-37.312 -28.382,-37.312 -28.161,-37.092 -28.022,-36.953 -28.022,-36.595 v1(-28.033,-36.584)